# Allegro board buddy_lay_rev1.brd
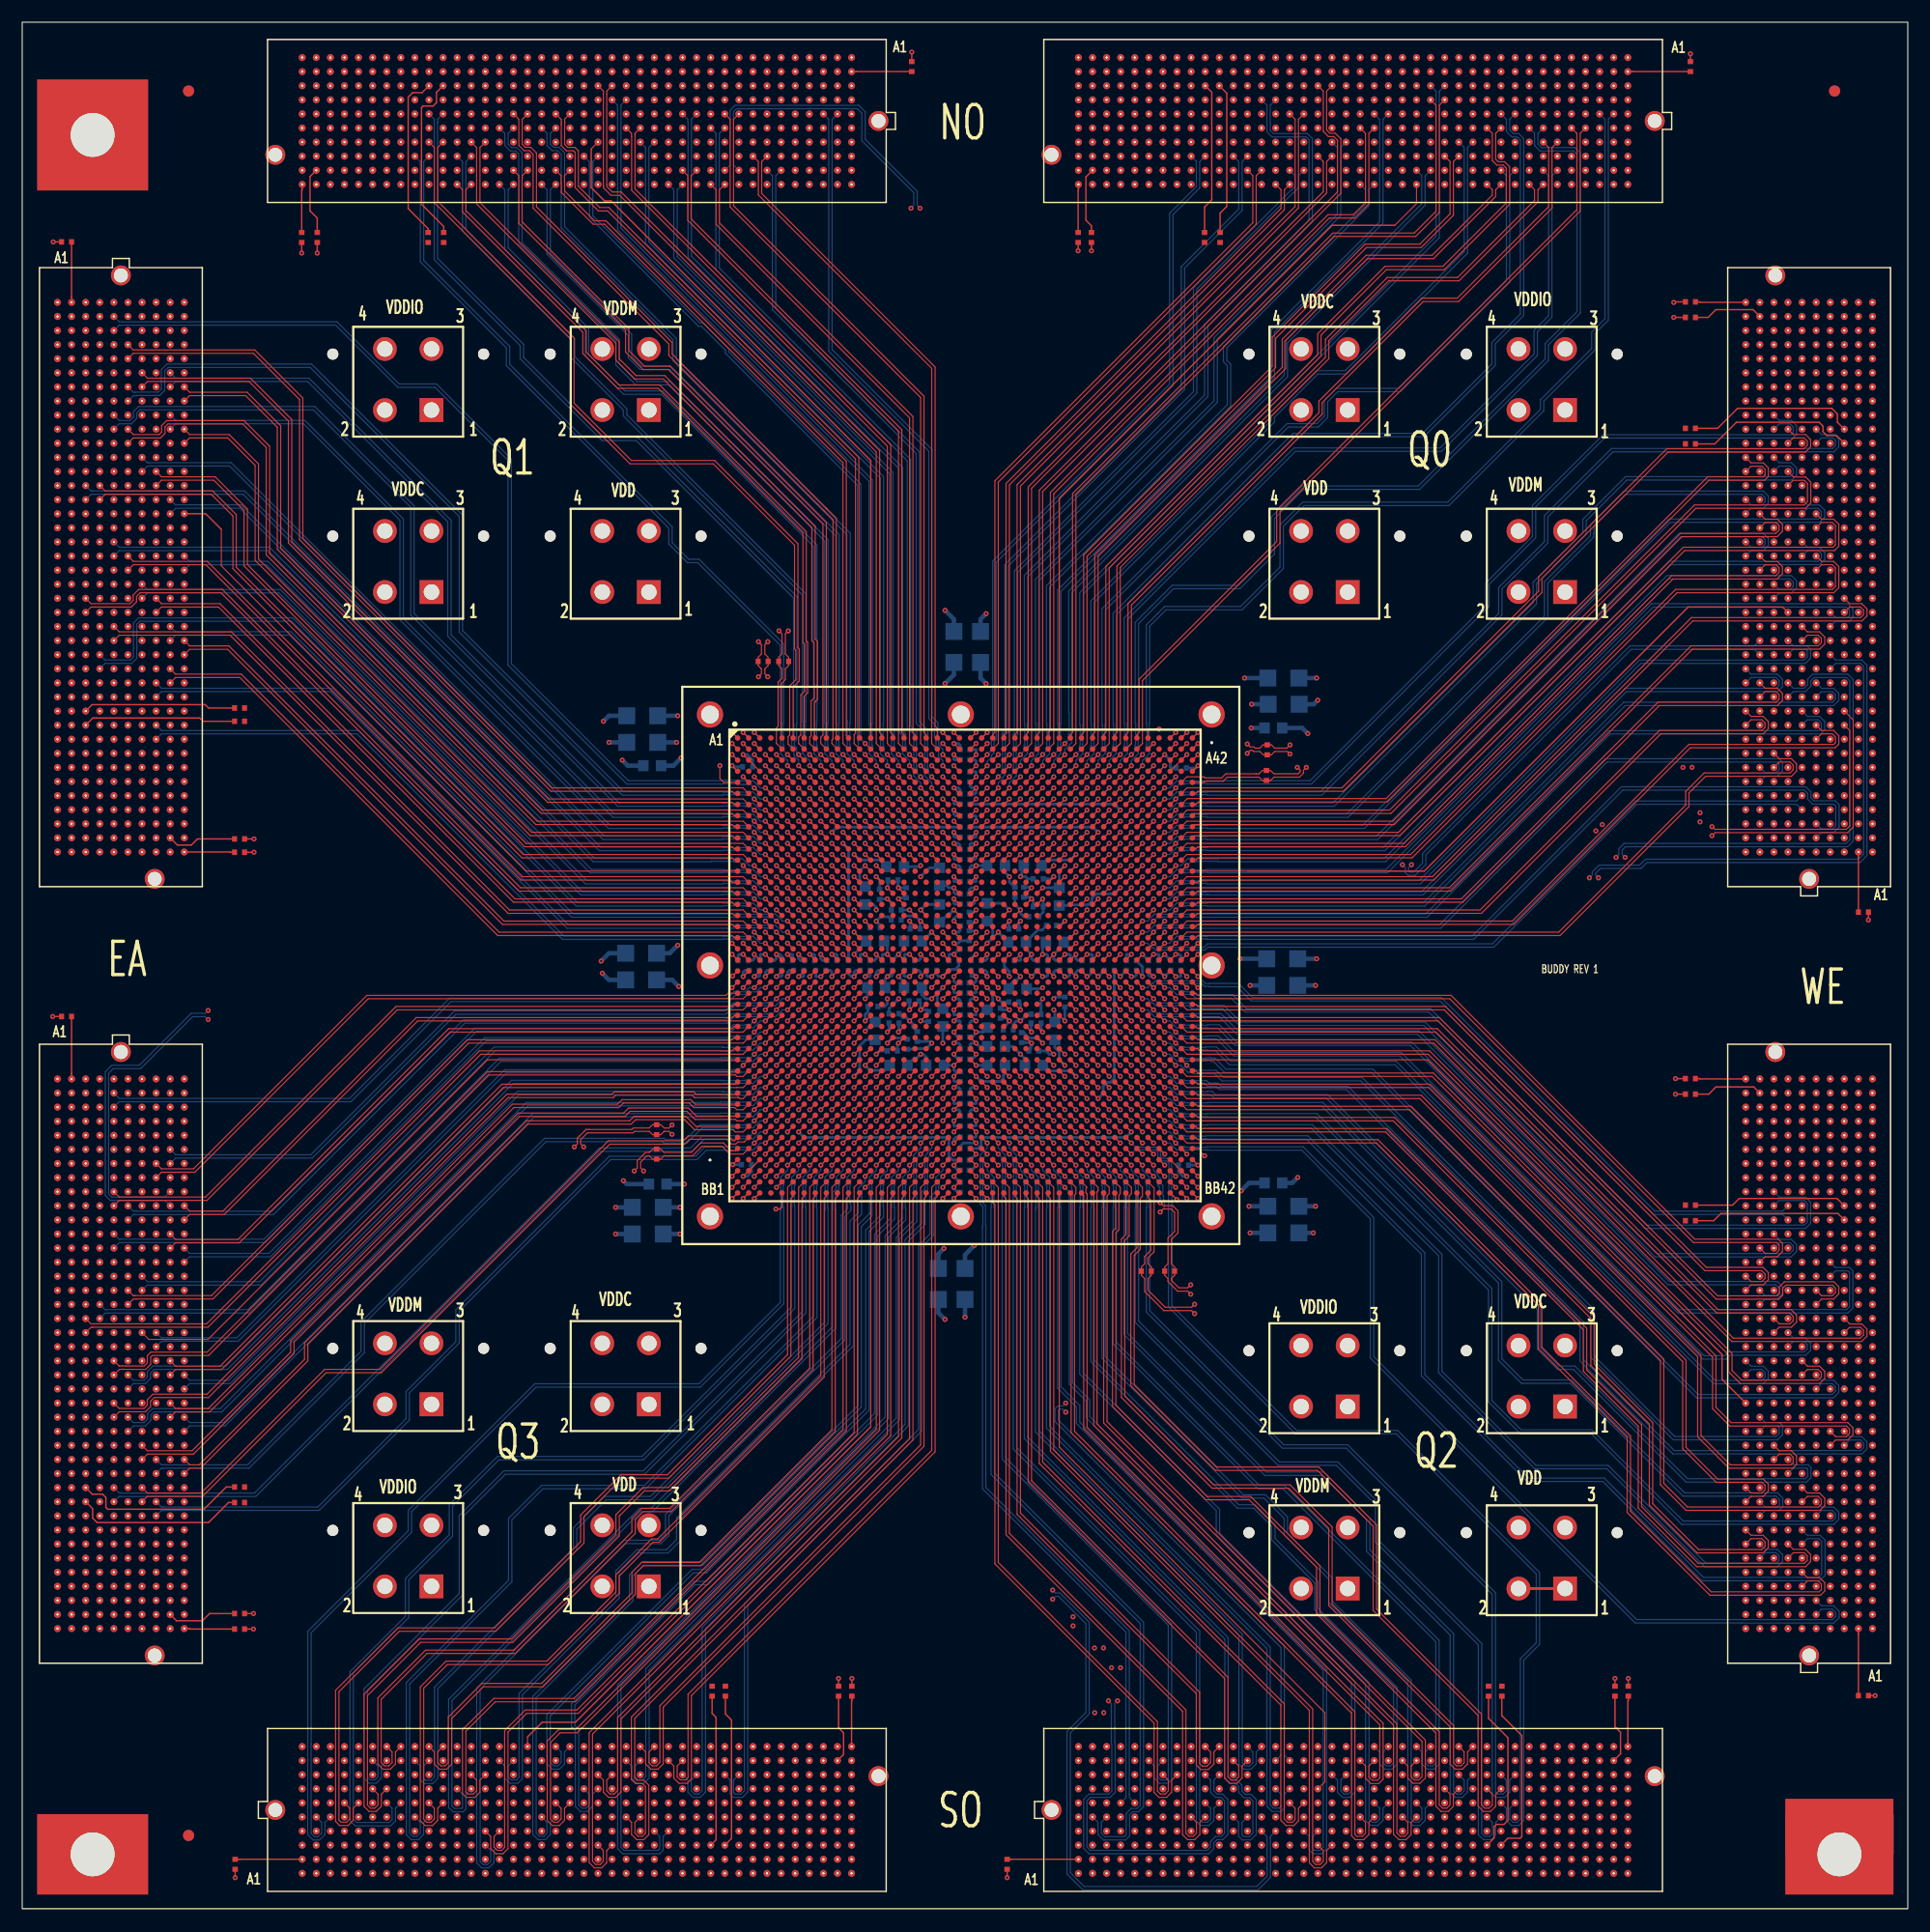
[diagram p0: board, top side]
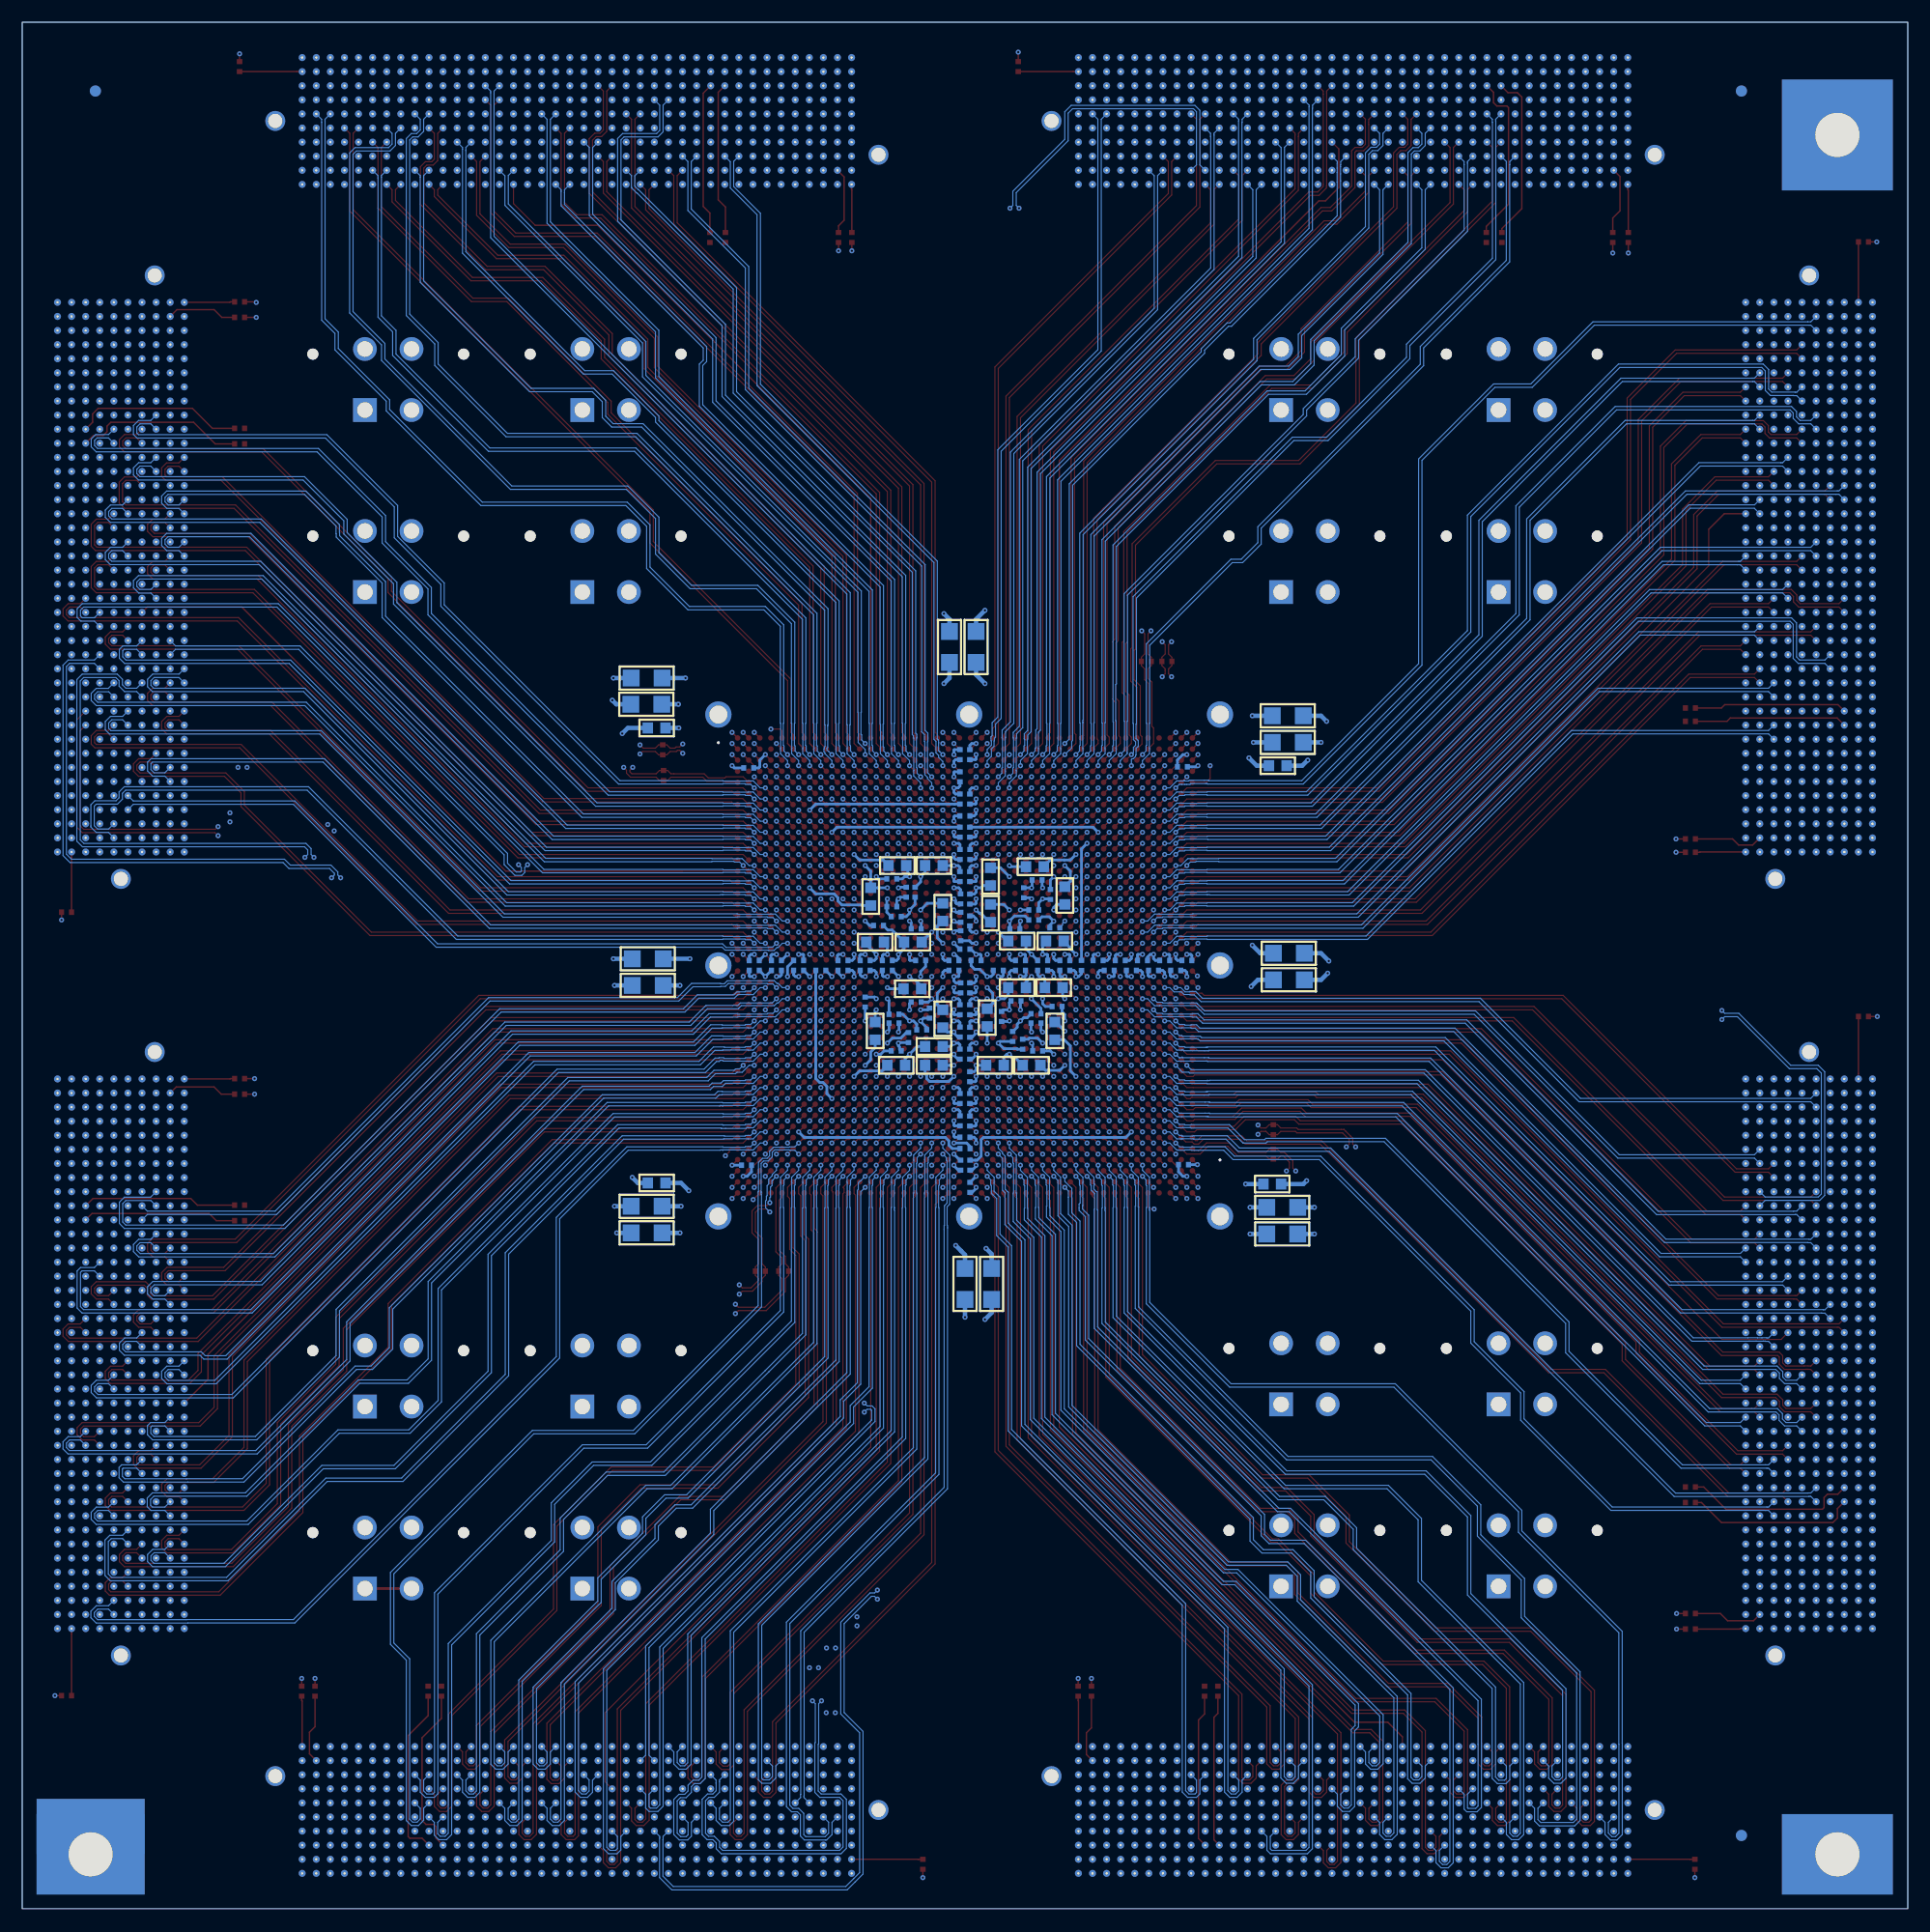
[diagram p1: board, bottom side, seen from below]

Outline 170 x 170 mm; copper layers: TOP, GND_L2, SIGNAL_L3, GND_L4, SIGNAL_L5, SIGNAL_L6, PWR_L7, PWR_L8, SIGNAL_L9, SIGNAL_L10, GND_L11, SIGNAL_L12, GND_L13, BOTTOM. Coordinates in mm from the lower left corner of the outline.
Outline path: rectangle 0,0 170,170

## Design rules (mm)
net group DP1: nets CLK_C2M_N0_EA CLK_C2M_P0_EA
net group DP2: nets CLK_C2M_N0_EA1 CLK_C2M_P0_EA1
net group DP3: nets CLK_C2M_N0_EA2 CLK_C2M_P0_EA2
net group DP4: nets CLK_C2M_N0_EA3 CLK_C2M_P0_EA3
net group DP5: nets CLK_C2M_N0_EA4 CLK_C2M_P0_EA4
net group DP6: nets CLK_C2M_N0_EA5 CLK_C2M_P0_EA5
net group DP7: nets CLK_C2M_N0_EA6 CLK_C2M_P0_EA6
net group DP8: nets CLK_C2M_N0_EA7 CLK_C2M_P0_EA7
net group DP9: nets CLK_C2M_N1_EA CLK_C2M_P1_EA
net group DP10: nets CLK_C2M_N1_EA1 CLK_C2M_P1_EA1
net group DP11: nets CLK_C2M_N1_EA2 CLK_C2M_P1_EA2
net group DP12: nets CLK_C2M_N1_EA3 CLK_C2M_P1_EA3
net group DP13: nets CLK_C2M_N1_EA4 CLK_C2M_P1_EA4
net group DP14: nets CLK_C2M_N1_EA5 CLK_C2M_P1_EA5
net group DP15: nets CLK_C2M_N1_EA6 CLK_C2M_P1_EA6
net group DP16: nets CLK_C2M_N1_EA7 CLK_C2M_P1_EA7
net group DP17: nets CTRL_N1_EA3 CTRL_P1_EA3
net group DP18: nets CLK_M2C_N1_EA CLK_M2C_P1_EA
net group DP19: nets CLK_M2C_N1_EA1 CLK_M2C_P1_EA1
net group DP20: nets CLK_M2C_N1_EA2 CLK_M2C_P1_EA2
net group DP21: nets CLK_M2C_N1_EA3 CLK_M2C_P1_EA3
net group DP22: nets CLK_M2C_N1_EA4 CLK_M2C_P1_EA4
net group DP23: nets CLK_M2C_N1_EA5 CLK_M2C_P1_EA5
net group DP24: nets CLK_M2C_N1_EA6 CLK_M2C_P1_EA6
net group DP25: nets CLK_M2C_N1_EA7 CLK_M2C_P1_EA7
net group DP26: nets CTRL_N0_EA1 CTRL_P0_EA1
net group DP27: nets CTRL_N0_EA3 CTRL_P0_EA3
net group DP28: nets CTRL_N0_EA4 CTRL_P0_EA4
net group DP29: nets CTRL_N0_EA6 CTRL_P0_EA6
net group DP30: nets WE_N127 WE_P127
net group DP31: nets WE_N126 WE_P126
net group DP32: nets WE_N125 WE_P125
net group DP33: nets WE_N124 WE_P124
net group DP34: nets WE_N123 WE_P123
net group DP35: nets WE_N122 WE_P122
net group DP36: nets WE_N121 WE_P121
net group DP37: nets WE_N120 WE_P120
net group DP38: nets WE_N119 WE_P119
net group DP39: nets WE_N118 WE_P118
net group DP40: nets WE_N117 WE_P117
net group DP41: nets WE_N116 WE_P116
net group DP42: nets WE_N115 WE_P115
net group DP43: nets WE_N114 WE_P114
net group DP44: nets WE_N113 WE_P113
net group DP45: nets WE_N112 WE_P112
net group DP46: nets WE_N111 WE_P111
net group DP47: nets WE_N110 WE_P110
net group DP48: nets WE_N109 WE_P109
net group DP49: nets WE_N108 WE_P108
net group DP50: nets WE_N107 WE_P107
net group DP51: nets WE_N106 WE_P106
net group DP52: nets WE_N105 WE_P105
net group DP53: nets WE_N104 WE_P104
net group DP54: nets WE_N103 WE_P103
net group DP55: nets WE_N102 WE_P102
net group DP56: nets WE_N101 WE_P101
net group DP57: nets WE_N100 WE_P100
net group DP58: nets WE_N99 WE_P99
net group DP60: nets WE_N97 WE_P97
net group DP61: nets WE_N96 WE_P96
net group DP62: nets WE_N95 WE_P95
net group DP63: nets WE_N94 WE_P94
net group DP64: nets WE_N93 WE_P93
net group DP65: nets WE_N92 WE_P92
net group DP66: nets WE_N91 WE_P91
net group DP67: nets WE_N90 WE_P90
net group DP68: nets WE_N89 WE_P89
net group DP69: nets WE_N88 WE_P88
net group DP70: nets WE_N87 WE_P87
net group DP71: nets WE_N86 WE_P86
net group DP72: nets WE_N85 WE_P85
net group DP73: nets WE_N84 WE_P84
net group DP74: nets WE_N83 WE_P83
net group DP75: nets WE_N82 WE_P82
net group DP76: nets WE_N81 WE_P81
net group DP77: nets WE_N80 WE_P80
net group DP78: nets WE_N79 WE_P79
net group DP79: nets WE_N78 WE_P78
net group DP80: nets WE_N77 WE_P77
net group DP81: nets WE_N76 WE_P76
net group DP82: nets WE_N75 WE_P75
net group DP83: nets WE_N74 WE_P74
net group DP84: nets WE_N73 WE_P73
net group DP85: nets WE_N72 WE_P72
net group DP86: nets WE_N71 WE_P71
net group DP87: nets WE_N70 WE_P70
net group DP88: nets WE_N69 WE_P69
net group DP89: nets WE_N68 WE_P68
net group DP90: nets WE_N67 WE_P67
net group DP91: nets WE_N66 WE_P66
net group DP92: nets WE_N65 WE_P65
net group DP93: nets WE_N64 WE_P64
net group DP94: nets WE_N63 WE_P63
net group DP95: nets WE_N62 WE_P62
net group DP96: nets WE_N61 WE_P61
net group DP97: nets WE_N60 WE_P60
net group DP98: nets WE_N59 WE_P59
net group DP99: nets WE_N58 WE_P58
net group DP100: nets WE_N57 WE_P57
net group DP101: nets WE_N56 WE_P56
net group DP102: nets WE_N55 WE_P55
net group DP103: nets WE_N54 WE_P54
net group DP104: nets WE_N53 WE_P53
net group DP105: nets WE_N52 WE_P52
net group DP106: nets WE_N51 WE_P51
net group DP107: nets WE_N50 WE_P50
net group DP108: nets WE_N49 WE_P49
net group DP109: nets WE_N48 WE_P48
net group DP110: nets WE_N47 WE_P47
net group DP111: nets WE_N46 WE_P46
net group DP112: nets WE_N45 WE_P45
net group DP113: nets WE_N44 WE_P44
net group DP114: nets WE_N43 WE_P43
net group DP115: nets WE_N42 WE_P42
net group DP116: nets WE_N41 WE_P41
net group DP117: nets WE_N40 WE_P40
net group DP118: nets WE_N39 WE_P39
net group DP119: nets WE_N38 WE_P38
net group DP120: nets WE_N37 WE_P37
net group DP121: nets WE_N36 WE_P36
net group DP122: nets WE_N35 WE_P35
net group DP123: nets WE_N34 WE_P34
net group DP124: nets WE_N33 WE_P33
net group DP125: nets WE_N32 WE_P32
net group DP126: nets WE_N31 WE_P31
net group DP127: nets WE_N30 WE_P30
net group DP129: nets WE_N28 WE_P28
net group DP130: nets WE_N27 WE_P27
net group DP131: nets WE_N26 WE_P26
net group DP132: nets WE_N25 WE_P25
net group DP133: nets WE_N24 WE_P24
net group DP134: nets WE_N23 WE_P23
net group DP135: nets WE_N22 WE_P22
net group DP136: nets WE_N21 WE_P21
net group DP137: nets WE_N20 WE_P20
net group DP138: nets WE_N19 WE_P19
net group DP139: nets WE_N18 WE_P18
net group DP140: nets WE_N17 WE_P17
net group DP141: nets WE_N16 WE_P16
net group DP142: nets WE_N15 WE_P15
net group DP143: nets WE_N14 WE_P14
net group DP144: nets WE_N13 WE_P13
net group DP145: nets WE_N12 WE_P12
net group DP146: nets WE_N11 WE_P11
net group DP147: nets WE_N10 WE_P10
net group DP148: nets WE_N9 WE_P9
net group DP149: nets WE_N8 WE_P8
net group DP150: nets WE_N7 WE_P7
net group DP151: nets WE_N6 WE_P6
net group DP152: nets WE_N5 WE_P5
net group DP153: nets WE_N4 WE_P4
net group DP154: nets WE_N3 WE_P3
net group DP155: nets WE_N2 WE_P2
net group DP156: nets WE_N1 WE_P1
net group DP157: nets WE_N0 WE_P0
net group DP158: nets SO_N0 SO_P0
net group DP159: nets SO_N1 SO_P1
net group DP160: nets SO_N127 SO_P127
net group DP161: nets SO_N126 SO_P126
net group DP162: nets SO_N125 SO_P125
net group DP163: nets SO_N124 SO_P124
net group DP164: nets SO_N123 SO_P123
net group DP165: nets SO_N122 SO_P122
net group DP166: nets SO_N121 SO_P121
net group DP167: nets SO_N120 SO_P120
net group DP168: nets SO_N119 SO_P119
net group DP169: nets SO_N118 SO_P118
net group DP170: nets SO_N117 SO_P117
net group DP171: nets SO_N116 SO_P116
net group DP172: nets SO_N115 SO_P115
net group DP173: nets SO_N114 SO_P114
net group DP174: nets SO_N113 SO_P113
net group DP175: nets SO_N112 SO_P112
net group DP176: nets SO_N111 SO_P111
net group DP177: nets SO_N110 SO_P110
net group DP178: nets SO_N109 SO_P109
net group DP179: nets SO_N108 SO_P108
net group DP180: nets SO_N107 SO_P107
net group DP181: nets SO_N106 SO_P106
net group DP182: nets SO_N105 SO_P105
net group DP183: nets SO_N104 SO_P104
net group DP184: nets SO_N103 SO_P103
net group DP185: nets SO_N102 SO_P102
net group DP186: nets SO_N101 SO_P101
net group DP187: nets SO_N100 SO_P100
net group DP188: nets SO_N99 SO_P99
net group DP190: nets SO_N97 SO_P97
net group DP191: nets SO_N96 SO_P96
net group DP192: nets SO_N95 SO_P95
net group DP193: nets SO_N94 SO_P94
net group DP194: nets SO_N93 SO_P93
net group DP195: nets SO_N92 SO_P92
net group DP196: nets SO_N91 SO_P91
net group DP197: nets SO_N90 SO_P90
net group DP198: nets SO_N89 SO_P89
net group DP199: nets SO_N88 SO_P88
net group DP200: nets SO_N87 SO_P87
net group DP201: nets SO_N86 SO_P86
net group DP202: nets SO_N85 SO_P85
net group DP203: nets SO_N84 SO_P84
net group DP204: nets SO_N83 SO_P83
net group DP205: nets SO_N82 SO_P82
net group DP206: nets SO_N81 SO_P81
net group DP207: nets SO_N80 SO_P80
net group DP208: nets SO_N79 SO_P79
net group DP209: nets SO_N78 SO_P78
net group DP210: nets SO_N77 SO_P77
net group DP211: nets SO_N76 SO_P76
net group DP212: nets SO_N75 SO_P75
net group DP213: nets SO_N74 SO_P74
net group DP214: nets SO_N73 SO_P73
net group DP215: nets SO_N72 SO_P72
net group DP216: nets SO_N71 SO_P71
net group DP217: nets SO_N70 SO_P70
net group DP218: nets SO_N69 SO_P69
net group DP219: nets SO_N68 SO_P68
net group DP220: nets SO_N67 SO_P67
net group DP221: nets SO_N66 SO_P66
net group DP222: nets SO_N65 SO_P65
net group DP223: nets SO_N64 SO_P64
net group DP224: nets SO_N63 SO_P63
net group DP225: nets SO_N62 SO_P62
net group DP226: nets SO_N61 SO_P61
net group DP227: nets SO_N60 SO_P60
net group DP228: nets SO_N59 SO_P59
net group DP229: nets SO_N58 SO_P58
net group DP230: nets SO_N57 SO_P57
net group DP231: nets SO_N56 SO_P56
net group DP232: nets SO_N55 SO_P55
net group DP233: nets SO_N54 SO_P54
net group DP234: nets SO_N53 SO_P53
net group DP235: nets SO_N52 SO_P52
net group DP236: nets SO_N51 SO_P51
net group DP237: nets SO_N50 SO_P50
net group DP238: nets SO_N49 SO_P49
net group DP239: nets SO_N48 SO_P48
net group DP240: nets SO_N47 SO_P47
net group DP241: nets SO_N46 SO_P46
net group DP242: nets SO_N45 SO_P45
net group DP243: nets SO_N44 SO_P44
net group DP244: nets SO_N43 SO_P43
net group DP245: nets SO_N42 SO_P42
net group DP246: nets SO_N41 SO_P41
net group DP247: nets SO_N40 SO_P40
net group DP248: nets SO_N39 SO_P39
net group DP249: nets SO_N38 SO_P38
net group DP250: nets SO_N37 SO_P37
net group DP251: nets SO_N36 SO_P36
net group DP252: nets SO_N35 SO_P35
net group DP253: nets SO_N34 SO_P34
net group DP254: nets SO_N33 SO_P33
net group DP255: nets SO_N32 SO_P32
net group DP256: nets SO_N31 SO_P31
net group DP257: nets SO_N30 SO_P30
net group DP259: nets SO_N28 SO_P28
net group DP260: nets SO_N27 SO_P27
net group DP261: nets SO_N26 SO_P26
net group DP262: nets SO_N25 SO_P25
net group DP263: nets SO_N24 SO_P24
net group DP264: nets SO_N23 SO_P23
net group DP265: nets SO_N22 SO_P22
net group DP266: nets SO_N21 SO_P21
net group DP267: nets SO_N20 SO_P20
net group DP268: nets SO_N19 SO_P19
net group DP269: nets SO_N18 SO_P18
net group DP270: nets SO_N17 SO_P17
net group DP271: nets SO_N16 SO_P16
net group DP272: nets SO_N15 SO_P15
net group DP273: nets SO_N14 SO_P14
net group DP274: nets SO_N13 SO_P13
net group DP275: nets SO_N12 SO_P12
net group DP276: nets SO_N2 SO_P2
net group DP277: nets SO_N11 SO_P11
net group DP278: nets SO_N10 SO_P10
net group DP279: nets SO_N9 SO_P9
net group DP280: nets SO_N8 SO_P8
net group DP281: nets SO_N7 SO_P7
net group DP282: nets SO_N6 SO_P6
net group DP283: nets SO_N5 SO_P5
net group DP284: nets SO_N4 SO_P4
net group DP285: nets SO_N3 SO_P3
net group DP286: nets CTRL_N1_EA1 CTRL_P1_EA1
net group DP287: nets CTRL_N1_EA4 CTRL_P1_EA4
net group DP288: nets CTRL_N1_EA6 CTRL_P1_EA6
net group DP289: nets CTRL_N2_EA1 CTRL_P2_EA1
net group DP290: nets CTRL_N2_EA3 CTRL_P2_EA3
net group DP291: nets CTRL_N2_EA4 CTRL_P2_EA4
net group DP292: nets CTRL_N2_EA6 CTRL_P2_EA6
net group DP293: nets CTRL_N3_EA1 CTRL_P3_EA1
net group DP294: nets CTRL_N3_EA3 CTRL_P3_EA3
net group DP295: nets CTRL_N3_EA4 CTRL_P3_EA4
net group DP296: nets CTRL_N3_EA6 CTRL_P3_EA6
net group DP297: nets CTRL_N4_EA1 CTRL_P4_EA1
net group DP298: nets CTRL_N4_EA3 CTRL_P4_EA3
net group DP299: nets CTRL_N4_EA4 CTRL_P4_EA4
net group DP300: nets CTRL_N4_EA6 CTRL_P4_EA6
net group DP301: nets CTRL_N5_EA1 CTRL_P5_EA1
net group DP302: nets CTRL_N5_EA3 CTRL_P5_EA3
net group DP303: nets CTRL_N5_EA4 CTRL_P5_EA4
net group DP304: nets CTRL_N5_EA6 CTRL_P5_EA6
net group DP305: nets CTRL_N6_EA1 CTRL_P6_EA1
net group DP306: nets CTRL_N6_EA3 CTRL_P6_EA3
net group DP307: nets CTRL_N6_EA4 CTRL_P6_EA4
net group DP308: nets CTRL_N6_EA6 CTRL_P6_EA6
net group DP309: nets CTRL_N7_EA1 CTRL_P7_EA1
net group DP310: nets CTRL_N7_EA3 CTRL_P7_EA3
net group DP311: nets CTRL_N7_EA4 CTRL_P7_EA4
net group DP312: nets CTRL_N7_EA6 CTRL_P7_EA6
net group DP313: nets CTRL_N8_EA1 CTRL_P8_EA1
net group DP314: nets CTRL_N8_EA3 CTRL_P8_EA3
net group DP315: nets CTRL_N8_EA4 CTRL_P8_EA4
net group DP316: nets CTRL_N8_EA6 CTRL_P8_EA6
net group DP317: nets CTRL_N9_EA1 CTRL_P9_EA1
net group DP318: nets CTRL_N9_EA3 CTRL_P9_EA3
net group DP319: nets CTRL_N9_EA4 CTRL_P9_EA4
net group DP320: nets CTRL_N9_EA6 CTRL_P9_EA6
net group DP321: nets CTRL_N12_EA1 CTRL_P12_EA1
net group DP322: nets CTRL_N12_EA3 CTRL_P12_EA3
net group DP323: nets CTRL_N12_EA4 CTRL_P12_EA4
net group DP324: nets CTRL_N12_EA6 CTRL_P12_EA6
net group DP325: nets CTRL_N13_EA1 CTRL_P13_EA1
net group DP326: nets CTRL_N13_EA3 CTRL_P13_EA3
net group DP327: nets CTRL_N13_EA4 CTRL_P13_EA4
net group DP328: nets CTRL_N13_EA6 CTRL_P13_EA6
net group DP329: nets EA_HS_C2M_N0 EA_HS_C2M_P0
net group DP330: nets EA_HS_C2M_N1 EA_HS_C2M_P1
net group DP331: nets EA_HS_C2M_N2 EA_HS_C2M_P2
net group DP332: nets EA_HS_C2M_N3 EA_HS_C2M_P3
net group DP333: nets EA_HS_C2M_N4 EA_HS_C2M_P4
net group DP334: nets EA_HS_C2M_N5 EA_HS_C2M_P5
net group DP335: nets EA_HS_C2M_N6 EA_HS_C2M_P6
net group DP336: nets EA_HS_C2M_N7 EA_HS_C2M_P7
net group DP337: nets EA_HS_C2M_N8 EA_HS_C2M_P8
net group DP338: nets EA_HS_C2M_N9 EA_HS_C2M_P9